# KiCad board USB Keypad.kicad_pcb
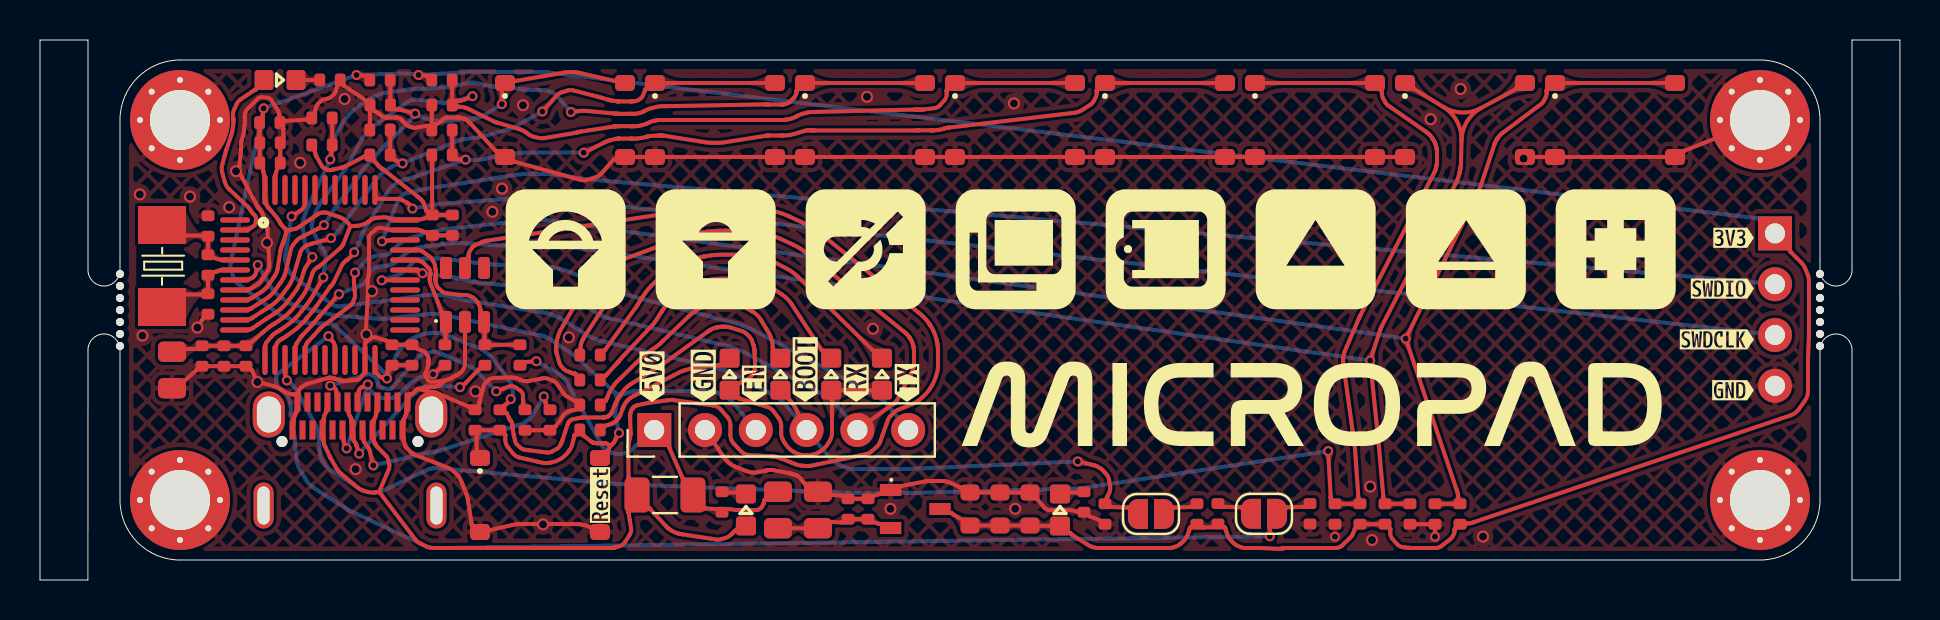
[diagram p0: board, top side]
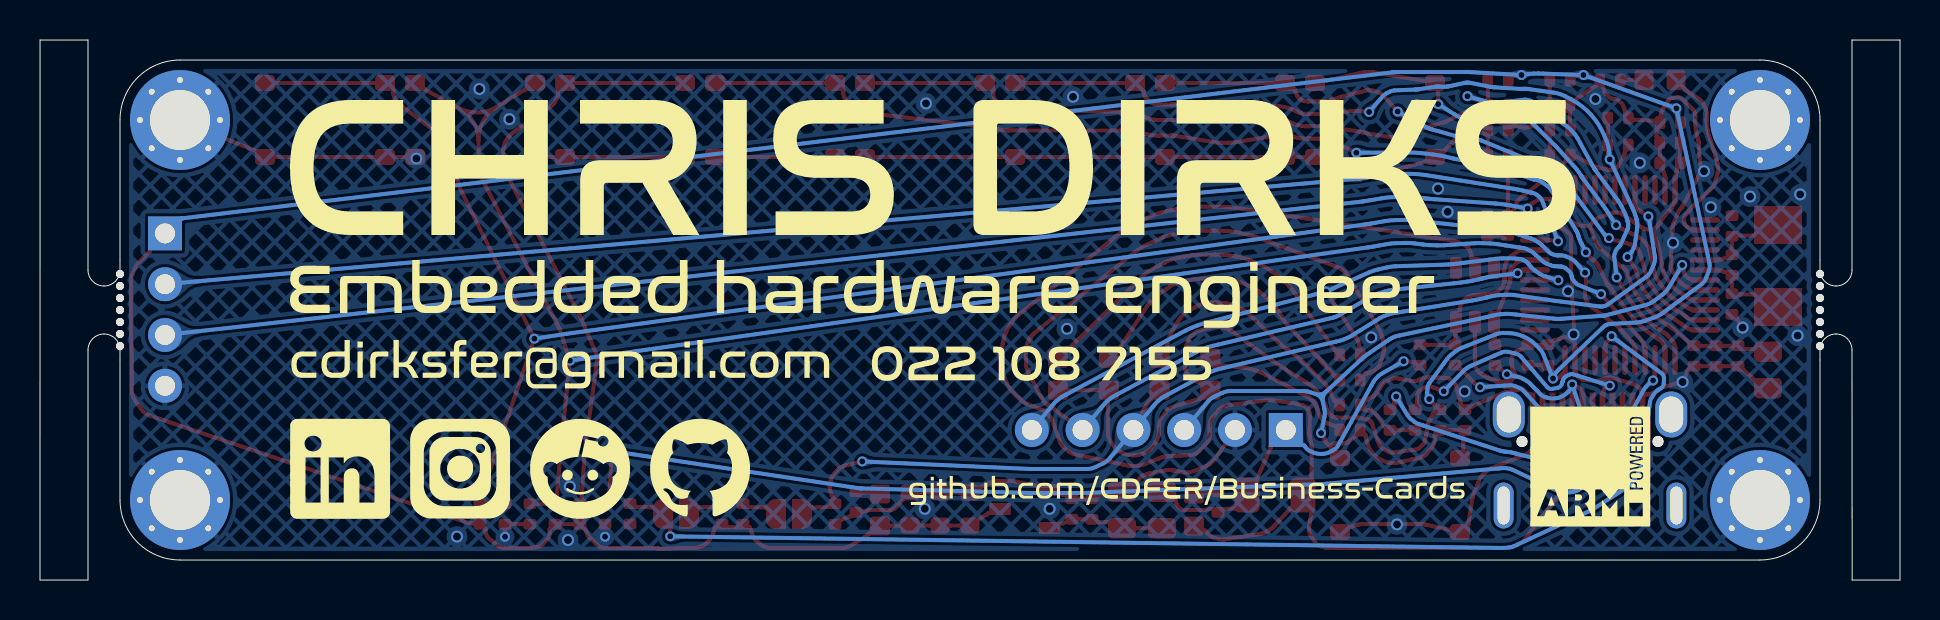
[diagram p1: board, bottom side, seen from below]

Outline 93 x 27 mm; copper layers: Top, Bottom. Coordinates in mm from the lower left corner of the outline.
Outline path: 3.2,12.3 arc(2.63,12.07) 2.4,11.5 2.39,0 0,0 0,27 2.4,27 2.4,15.5 arc(2.63,14.93) 3.2,14.7 ; 4,16 4,23 arc(4.88,25.12) 7,26 86,26 arc(88.12,25.12) 89,23 89,16 ; 4,11 4,4 arc(4.88,1.88) 7,1 86,1 arc(88.12,1.88) 89,4 89,11 ; 89.8,12.3 arc(90.37,12.07) 90.6,11.5 90.6,0 93,0 93,27 90.6,27 ; 90.6,27 90.6,15.5 arc(90.37,14.93) 89.8,14.7
Stack: Top 0.035mm / dielectric 0.9mm FR4 er 4.5 / Bottom 0.035mm

## Placement (name value [footprint] x y rotation side)
C1  0402,20pF,50V,C0G  [0402_1005Metric]  8.4 17.7 270 top
C2  100nF  [0402_1005Metric]  10.3 11.2 270 top
C3  0805,1uF,50V,X7R  [0805_2012Metric]  38.9 3.5 90 top
C4  100nF  [0402_1005Metric]  18.6 11.25 90 top
C5  0402,1uF,25V,X5R  [0402_1005Metric]  21.75 8 90 top
C6  0402,20pF,50V,C0G  [0402_1005Metric]  8.4 13.8 90 top
C7  0402,330pF,50V,C0G  [0402_1005Metric]  41.4 3.55 90 top
C8  0402,4.7uF,10V,X5R  [0402_1005Metric]  40.4 3.55 90 top
C9  330pF  [0402_1005Metric]  17.6 11.25 90 top
C10  330pF  [0402_1005Metric]  9.2 11.2 270 top
C11  100nF  [0402_1005Metric]  20.62 17.74 270 top
C12  0603,470nF,25V,X7R  [0603_1608Metric]  48 3.55 90 top
C13  0603,330pF,50V,C0G  [0603_1608Metric]  46.5 3.55 90 top
C14  0603,470nF,25V,X7R  [0603_1608Metric]  49.5 3.55 90 top
C15  330pF  [0402_1005Metric]  19.62 17.74 270 top
C16  100nF  [0402_1005Metric]  11.5 21.86 0 top
C17  330pF  [0402_1005Metric]  11.5 20.85 0 top
C18  0402,4.7uF,10V,X5R  [0402_1005Metric]  11.49 22.87 0 top
C30  0402,1uF,25V,X5R  [0402_1005Metric]  17.01 23.75 180 top
C31  0402,1uF,25V,X5R  [0402_1005Metric]  17 22.5 180 top
C32  10nF  [0402_1005Metric]  8.1 11.2 270 top
C33  1uF  [0805_2012Metric]  6.6 10.5 270 top
C34  0402,1uF,25V,X5R  [0402_1005Metric]  14.1 23.1 180 top
C35  0402,1uF,25V,X5R  [0402_1005Metric]  20.1 23.75 180 top
C36  0402,1uF,25V,X5R  [0402_1005Metric]  20.1 22.5 180 top
C37  0402,1uF,25V,X5R  [0402_1005Metric]  64.75 3.3 270 top
C38  0402,1uF,25V,X5R  [0402_1005Metric]  68.5 3.3 270 top
C39  0402,1uF,25V,X5R  [0402_1005Metric]  69.75 3.3 270 top
ESD1  SRV05  [SOT-23-6_L2.9-W1.6-P0.95-LS2.8-BR]  21.25 14.25 270 top
F1  1.5A Resettable Fuse  [Fuse_1206_3216Metric]  31.25 4.25 180 top
FB1  0805,800mA  [0805_2012Metric]  36.9 3.5 270 top
J1  Conn_01x06_Socket  [PinHeader_1x06_P2.54mm_Vertical]  30.71 7.5 90 top
J2  USB_C_Receptacle  [TYPE-C-SMD_C9900025773]  15.5 6.31 0 top
J3  Conn_01x04_Socket  [PinHeader_1x04_P2.54mm_Vertical]  86.75 17.33 0 top
JP1  Jumper_2_Open  [SolderJumper-2_P1.3mm_Open_RoundedPad1.0x1.5mm]  61.2 3.31 180 top
JP2  Jumper_2_Open  [SolderJumper-2_P1.3mm_Open_RoundedPad1.0x1.5mm]  55.55 3.3 0 top
kibuzzard-66975F2F  G***  [kibuzzard-66975F2F]  84.12 14.57 0 top
kibuzzard-66975F6C  G***  [kibuzzard-66975F6C]  83.84 12.03 0 top
kibuzzard-66975F57  G***  [kibuzzard-66975F57]  84.68 17.11 0 top
kibuzzard-66975F78  G***  [kibuzzard-66975F78]  84.65 9.49 0 top
kibuzzard-66975FBD  G***  [kibuzzard-66975FBD]  28 4.25 90 top
kibuzzard-669760FB  G***  [kibuzzard-669760FB]  30.6 10.17 90 top
kibuzzard-6697610A  G***  [kibuzzard-6697610A]  35.71 9.81 90 top
kibuzzard-66976103  G***  [kibuzzard-66976103]  33.16 10.21 90 top
kibuzzard-66976111  G***  [kibuzzard-66976111]  38.26 10.52 90 top
kibuzzard-66976119  G***  [kibuzzard-66976119]  40.81 9.84 90 top
kibuzzard-66976121  G***  [kibuzzard-66976121]  43.35 9.85 90 top
LDO1  LDO 3.3V 200mA XC6206P332MR  [SOT-23-3_L2.9-W1.6-P1.90-LS2.8-BR]  43.76 3.55 180 top
LED1  0603,Red  [LED0603]  35.3 3.5 270 top
LED2  0603,Red  [LED0603]  51 3.5 270 top
LED3  0603,Yellow  [LED0603]  12 25 180 top
LED4  0603,Yellow  [LED0603]  42.1 10.29 270 top
LED5  0603,Yellow  [LED0603]  39.56 10.29 270 top
LED6  0603,Red  [LED0603]  34.48 10.29 270 top
LED7  0603,Red  [LED0603]  37.02 10.29 270 top
M1  -  [MountingHole_3.2mm_M3]  7 23 90 top
M2  -  [MountingHole_3.2mm_M3]  86 23 90 top
M3  -  [MountingHole_3.2mm_M3]  86 4 90 top
M4  -  [MountingHole_3.2mm_M3]  7 4 90 top
MB2  -  [MouseBitesJLCPCB]  89 13.5 270 top
MB3  -  [MouseBitesJLCPCB]  4 13.5 90 top
R1  0402,1M  [0402_1005Metric]  8.4 15.75 270 top
R2  0402,22  [0402_1005Metric]  20.25 11.25 90 top
R3  0402,22  [0402_1005Metric]  22.25 11.25 90 top
R4  0402,4.7k  [0402_1005Metric]  24 11.25 90 top
R5  0402,10k  [0402_1005Metric]  23 8 270 top
R6  0402,10k  [0402_1005Metric]  17 21.25 0 top
R7  0402,150  [0402_1005Metric]  14.5 25 180 top
R8  0402,100k  [0402_1005Metric]  53.25 3.3 90 top
R9  0402,100k  [0402_1005Metric]  63.5 3.31 90 top
R10  0402,1k  [0402_1005Metric]  57.85 3.3 90 top
R11  0402,1k  [0402_1005Metric]  58.9 3.31 90 top
R12  0402,680  [0402_1005Metric]  27.5 10 180 top
R13  0402,5.1k  [0402_1005Metric]  24.25 8 270 top
R14  0402,5.1k  [0402_1005Metric]  25.5 8 270 top
R15  0402,1.2k  [0402_1005Metric]  27.5 7.5 180 top
R16  0402,1.2k  [0402_1005Metric]  27.5 8.75 180 top
R17  0402,680  [0402_1005Metric]  27.5 11.25 180 top
R18  0402,330  [0402_1005Metric]  34.1 3.9 90 top
R19  0402,10k  [0402_1005Metric]  14.1 21.75 0 top
R20  0402,10k  [0402_1005Metric]  20.1 25 0 top
R21  0402,10k  [0402_1005Metric]  20.1 21.25 0 top
R22  0402,1.2k  [0402_1005Metric]  52.2 3.9 270 top
R24  0402,10k  [0402_1005Metric]  66 3.3 90 top
R26  0402,10k  [0402_1005Metric]  17 25 0 top
R27  0402,10k  [0402_1005Metric]  67.25 3.3 90 top
R28  0402,10k  [0402_1005Metric]  71 3.3 90 top
SW1  Button SPST 50mA 12V  [SW-SMD_4P-L5.1-W5.1-P3.70-LS6.5-TL-2]  25 4.25 0 top
SW2  Button SPST 50mA 12V  [SW-SMD_4P-L5.1-W5.1-P3.70-LS6.5-TL-2]  26.25 23 0 top
SW3  Button SPST 50mA 12V  [SW-SMD_4P-L5.1-W5.1-P3.70-LS6.5-TL-2]  33.75 23 0 top
SW4  Button SPST 50mA 12V  [SW-SMD_4P-L5.1-W5.1-P3.70-LS6.5-TL-2]  41.25 23 0 top
SW5  Button SPST 50mA 12V  [SW-SMD_4P-L5.1-W5.1-P3.70-LS6.5-TL-2]  48.75 23 0 top
SW6  Button SPST 50mA 12V  [SW-SMD_4P-L5.1-W5.1-P3.70-LS6.5-TL-2]  56.25 23 0 top
SW7  Button SPST 50mA 12V  [SW-SMD_4P-L5.1-W5.1-P3.70-LS6.5-TL-2]  63.75 23 0 top
SW8  Button SPST 50mA 12V  [SW-SMD_4P-L5.1-W5.1-P3.70-LS6.5-TL-2]  71.25 23 0 top
SW9  Button SPST 50mA 12V  [SW-SMD_4P-L5.1-W5.1-P3.70-LS6.5-TL-2]  78.75 23 0 top
U1  MCU 72MHz STM32F103C8T6  [LQFP-48_L7.0-W7.0-P0.50-LS9.0-BL]  14 15.25 270 top
U2  8MHz 20pF ±10ppm  [CRYSTAL-SMD_L5.0-W3.2]  6.1 15.7 90 top

## Library data of the parts
C1 C6 = -: Datasheet: https://datasheet.lcsc.com/lcsc/1811141710_FH-Guangdong-Fenghua-Advanced-Tech-0402CG200J500NT_C1554.pdf; Description: 50V 20pF C0G   5% 0402 Multilayer Ceramic Capacitors MLCC - SMD SMT ROHS; LCSC: C1554; MFG: FH(Guangdong Fenghua Advanced Tech); MFGPN: 0402CG200J500NT
C2 C4 C11 C16 = -: Datasheet: https://datasheet.lcsc.com/lcsc/1810191219_Samsung-Electro-Mechanics-CL05B104KO5NNNC_C1525.pdf; Description: 16V 100nF X7R   10% 0402 Multilayer Ceramic Capacitors MLCC - SMD SMT ROHS; LCSC: C1525; MFG: Samsung Electro-Mechanics; MFGPN: CL05B104KO5NNNC
C3 C33 = -: Datasheet: https://datasheet.lcsc.com/lcsc/1810191216_Samsung-Electro-Mechanics-CL21B105KBFNNNE_C28323.pdf; Description: 50V 1uF X7R   10% 0805 Multilayer Ceramic Capacitors MLCC - SMD SMT ROHS; LCSC: C28323; MFG: Samsung Electro-Mechanics; MFGPN: CL21B105KBFNNNE
C5 C30 C31 C34-C39 = -: Datasheet: https://datasheet.lcsc.com/lcsc/1811091611_Samsung-Electro-Mechanics-CL05A105KA5NQNC_C52923.pdf; Description: 25V 1uF X5R   10% 0402 Multilayer Ceramic Capacitors MLCC - SMD SMT ROHS; LCSC: C52923; MFG: Samsung Electro-Mechanics; MFGPN: CL05A105KA5NQNC
C7 C9 C10 C15 C17 = -: Datasheet: https://datasheet.lcsc.com/lcsc/1810192025_Samsung-Electro-Mechanics-CL05C331JB5NNNC_C13533.pdf; Description: 50V 330pF C0G   5% 0402 Multilayer Ceramic Capacitors MLCC - SMD SMT ROHS; LCSC: C13533; MFG: Samsung Electro-Mechanics; MFGPN: CL05C331JB5NNNC
C8 C18 = -: Datasheet: https://datasheet.lcsc.com/lcsc/1810191211_Samsung-Electro-Mechanics-CL05A475MP5NRNC_C23733.pdf; Description: 10V 4 7uF X5R   20% 0402 Multilayer Ceramic Capacitors MLCC - SMD SMT ROHS; LCSC: C23733; MFG: Samsung Electro-Mechanics; MFGPN: CL05A475MP5NRNC
C12 C14 = -: Datasheet: https://datasheet.lcsc.com/lcsc/1810261513_Samsung-Electro-Mechanics-CL10B474KA8NNNC_C1623.pdf; Description: 25V 470nF X7R   10% 0603 Multilayer Ceramic Capacitors MLCC - SMD SMT ROHS; LCSC: C1623; MFG: Samsung Electro-Mechanics; MFGPN: CL10B474KA8NNNC
C13 = -: Datasheet: https://datasheet.lcsc.com/lcsc/1810261512_Samsung-Electro-Mechanics-CL10C331JB8NNNC_C1664.pdf; Description: 50V 330pF C0G   5% 0603 Multilayer Ceramic Capacitors MLCC - SMD SMT ROHS; LCSC: C1664; MFG: Samsung Electro-Mechanics; MFGPN: CL10C331JB8NNNC
C32 = -: Datasheet: https://datasheet.lcsc.com/lcsc/1810191223_Samsung-Electro-Mechanics-CL05B103KB5NNNC_C15195.pdf; Description: 50V 10nF X7R   10% 0402 Multilayer Ceramic Capacitors MLCC - SMD SMT ROHS; LCSC: C15195; MFG: Samsung Electro-Mechanics; MFGPN: CL05B103KB5NNNC
ESD1 = -: Datasheet: https://item.szlcsc.com/169042.html; LCSC: C85364; Field5: REF**
F1 = -: Description: Resettable fuse, polymeric positive temperature coefficient; LCSC: C2838983; ki_fp_filters: *polyfuse* *PTC*
FB1 = -: Datasheet: https://item.szlcsc.com/344132.html; LCSC: C1015
J1 = -: Description: Generic connector, single row, 01x06, script generated; ki_fp_filters: Connector*:*_1x??_*
J2 = -: Datasheet: https://www.usb.org/sites/default/files/documents/usb_type-c.zip; Description: USB Full-Featured Type-C Receptacle connector; LCSC: C5156605; Field5: REF**; ki_fp_filters: USB*C*Receptacle*
J3 = -: Description: Generic connector, single row, 01x04, script generated; ki_fp_filters: Connector*:*_1x??_*
JP1 JP2 = -: Description: Jumper, 2-pole, open; ki_fp_filters: Jumper* TestPoint*2Pads* TestPoint*Bridge*
LDO1 = -: Datasheet: https://datasheet.lcsc.com/lcsc/2304140030_Torex-Semicon-XC6206P332MR_C5446.pdf; LCSC: C5446; Field5: REF**
LED1 LED2 LED6 LED7 = -: Datasheet: https://item.szlcsc.com/347874.html; LCSC: C2286; Field5: REF**
LED3-LED5 = -: Datasheet: https://atta.szlcsc.com/upload/public/pdf/source/20180129/C125100_15171877314981315871.pdf; LCSC: C72038; Field5: REF**
R1 = -: Datasheet: https://datasheet.lcsc.com/lcsc/2110260130_UNI-ROYAL-Uniroyal-Elec-0402WGF1004TCE_C26083.pdf; Description: 1% 1 16W Thick Film Resistors 50V   100ppm    -55    155   1M   0402 Chip Resistor - Surface Mount ROHS; LCSC: C26083; MFG: UNI-ROYAL(Uniroyal Elec); MFGPN: 0402WGF1004TCE
R2 R3 = -: Datasheet: https://datasheet.lcsc.com/lcsc/2110252230_UNI-ROYAL-Uniroyal-Elec-0402WGF220JTCE_C25092.pdf; Description: 1% 1 16W Thick Film Resistors 50V   200ppm    -55    155   22   0402 Chip Resistor - Surface Mount ROHS; LCSC: C25092; MFG: UNI-ROYAL(Uniroyal Elec); MFGPN: 0402WGF220JTCE
R4 = -: Datasheet: https://datasheet.lcsc.com/lcsc/2110260030_UNI-ROYAL-Uniroyal-Elec-0402WGF4701TCE_C25900.pdf; Description: 1% 1 16W Thick Film Resistors 50V   100ppm    -55    155   4 7k   0402 Chip Resistor - Surface Mount ROHS; LCSC: C25900; MFG: UNI-ROYAL(Uniroyal Elec); MFGPN: 0402WGF4701TCE
R5 R6 R19-R21 R24 R26-R28 = -: Datasheet: https://datasheet.lcsc.com/lcsc/2110260030_UNI-ROYAL-Uniroyal-Elec-0402WGF1002TCE_C25744.pdf; Description: 1% 1 16W Thick Film Resistors 50V   100ppm    -55    155   10k   0402 Chip Resistor - Surface Mount ROHS; LCSC: C25744; MFG: UNI-ROYAL(Uniroyal Elec); MFGPN: 0402WGF1002TCE
R7 = -: Datasheet: https://datasheet.lcsc.com/lcsc/2110252230_UNI-ROYAL-Uniroyal-Elec-0402WGF1500TCE_C25082.pdf; Description: 1% 1 16W Thick Film Resistors 50V   100ppm    -55    155   150   0402 Chip Resistor - Surface Mount ROHS; LCSC: C25082; MFG: UNI-ROYAL(Uniroyal Elec); MFGPN: 0402WGF1500TCE
R8 R9 = -: Datasheet: https://datasheet.lcsc.com/lcsc/2110260030_UNI-ROYAL-Uniroyal-Elec-0402WGF1003TCE_C25741.pdf; Description: 1% 1 16W Thick Film Resistors 50V   100ppm    -55    155   100k   0402 Chip Resistor - Surface Mount ROHS; LCSC: C25741; MFG: UNI-ROYAL(Uniroyal Elec); MFGPN: 0402WGF1003TCE
R10 R11 = -: Datasheet: https://datasheet.lcsc.com/lcsc/2110251730_UNI-ROYAL-Uniroyal-Elec-0402WGF1001TCE_C11702.pdf; Description: 1% 1 16W Thick Film Resistors 50V   100ppm    -55    155   1k   0402 Chip Resistor - Surface Mount ROHS; LCSC: C11702; MFG: UNI-ROYAL(Uniroyal Elec); MFGPN: 0402WGF1001TCE
R12 R17 = -: Datasheet: https://datasheet.lcsc.com/lcsc/2110252230_UNI-ROYAL-Uniroyal-Elec-0402WGF6800TCE_C25130.pdf; Description: 1% 1 16W Thick Film Resistors 50V   100ppm    -55    155   680   0402 Chip Resistor - Surface Mount ROHS; LCSC: C25130; MFG: UNI-ROYAL(Uniroyal Elec); MFGPN: 0402WGF6800TCE
R13 R14 = -: Datasheet: https://datasheet.lcsc.com/lcsc/2110260030_UNI-ROYAL-Uniroyal-Elec-0402WGF5101TCE_C25905.pdf; Description: 1% 1 16W Thick Film Resistors 50V   100ppm    -55    155   5 1k   0402 Chip Resistor - Surface Mount ROHS; LCSC: C25905; MFG: UNI-ROYAL(Uniroyal Elec); MFGPN: 0402WGF5101TCE
R15 R16 R22 = -: Datasheet: https://datasheet.lcsc.com/lcsc/2110260030_UNI-ROYAL-Uniroyal-Elec-0402WGF1201TCE_C25862.pdf; Description: 1% 1 16W Thick Film Resistors 50V   100ppm    -55    155   1 2k   0402 Chip Resistor - Surface Mount ROHS; LCSC: C25862; MFG: UNI-ROYAL(Uniroyal Elec); MFGPN: 0402WGF1201TCE
R18 = -: Datasheet: https://datasheet.lcsc.com/lcsc/2110252230_UNI-ROYAL-Uniroyal-Elec-0402WGF3300TCE_C25104.pdf; Description: 1% 1 16W Thick Film Resistors 50V   100ppm    -55    155   330   0402 Chip Resistor - Surface Mount ROHS; LCSC: C25104; MFG: UNI-ROYAL(Uniroyal Elec); MFGPN: 0402WGF3300TCE
SW1-SW9 = -: Datasheet: https://item.szlcsc.com/300285.html; LCSC: C318884; Field5: REF**
U1 = -: Datasheet: https://atta.szlcsc.com/upload/public/pdf/source/20190808/C411336_D1D2DF7683029D856BA010BA7A5BF7EA.pdf; LCSC: C8734; Field5: REF**
U2 = -: Datasheet: https://atta.szlcsc.com/upload/public/pdf/source/20181112/C254399_C5BBDD3824DCEC70A37F176D8FB90B40.pdf; LCSC: C115962; Field5: REF**

## Footprints (pads in the part's own frame, mm; a bottom-side part is the same pattern mirrored in y, then rotated)
0402_1005Metric
  rrect 0.54x0.64 smd: 1(-0.51,0) 2(0.51,0)
0603_1608Metric
  rrect 0.8x0.95 smd: 1(-0.825,0) 2(0.825,0)
0805_2012Metric
  rrect 1.025x1.4 smd: 1(-0.912,0) 2(0.912,0)
CRYSTAL-SMD_L5.0-W3.2
  rect 1.9x2.4 smd: 1(-2.05,0) 2(2.05,0)
Fuse_1206_3216Metric
  rrect 1.25x1.75 smd: 1(-1.4,0) 2(1.4,0)
LED0603
  rrect 0.95x1 smd: 1(-0.8,0) 2(0.8,0)
LQFP-48_L7.0-W7.0-P0.50-LS9.0-BL
  oval 0.27x1.5 smd: 1(-2.75,-4.25) 2(-2.25,-4.25) 3(-1.75,-4.25) 4(-1.25,-4.25) 5(-0.75,-4.25) 6(-0.25,-4.25) 7(0.25,-4.25) 8(0.75,-4.25) 9(1.25,-4.25) 10(1.75,-4.25) 11(2.25,-4.25) 12(2.75,-4.25) 25(2.75,4.25) 26(2.25,4.25) 27(1.75,4.25) 28(1.25,4.25) 29(0.75,4.25) 30(0.25,4.25) 31(-0.25,4.25) 32(-0.75,4.25) 33(-1.25,4.25) 34(-1.75,4.25) 35(-2.25,4.25) 36(-2.75,4.25)
  oval 1.5x0.27 smd: 13(4.25,-2.75) 14(4.25,-2.25) 15(4.25,-1.75) 16(4.25,-1.25) 17(4.25,-0.75) 18(4.25,-0.25) 19(4.25,0.25) 20(4.25,0.75) 21(4.25,1.25) 22(4.25,1.75) 23(4.25,2.25) 24(4.25,2.75) 37(-4.25,2.75) 38(-4.25,2.25) 39(-4.25,1.75) 40(-4.25,1.25) 41(-4.25,0.75) 42(-4.25,0.25) 43(-4.25,-0.25) 44(-4.25,-0.75) 45(-4.25,-1.25) 46(-4.25,-1.75) 47(-4.25,-2.25) 48(-4.25,-2.75)
MountingHole_3.2mm_M3
  round 0.4 hole 0.3: (-2,0) (-1.414,1.414) (-1.414,-1.414) (0,2) (0,-2) (1.414,1.414) (1.414,-1.414) (2,0)
  round 5 hole 3: (0,0)
MouseBitesJLCPCB
  round 0.4 hole 0.4 unplated: (-1.8,0) (-1.2,0) (-0.6,0) (0,0) (0.6,0) (1.2,0) (1.8,0)
PinHeader_1x04_P2.54mm_Vertical
  rect 1.7x1.7 hole 1: 1(0,0)
  oval 1.7x1.7 hole 1: 2(0,-2.54) 3(0,-5.08) 4(0,-7.62)
PinHeader_1x06_P2.54mm_Vertical
  rect 1.7x1.7 hole 1: 1(0,0)
  oval 1.7x1.7 hole 1: 2(0,-2.54) 3(0,-5.08) 4(0,-7.62) 5(0,-10.16) 6(0,-12.7)
SolderJumper-2_P1.3mm_Open_RoundedPad1.0x1.5mm
  custom 1x1.5 smd: 1(-0.65,0) 2(0.65,0)
SOT-23-3_L2.9-W1.6-P1.90-LS2.8-BR
  rect 1.07x0.6 smd: 1(1.235,-0.95) 2(1.235,0.95) 3(-1.235,0)
SOT-23-6_L2.9-W1.6-P0.95-LS2.8-BR
  rrect 1.1x0.6 smd: 1(1.35,-0.95) 2(1.35,0) 3(1.35,0.95) 4(-1.35,0.95) 5(-1.35,0) 6(-1.35,-0.95)
SW-SMD_4P-L5.1-W5.1-P3.70-LS6.5-TL-2
  rrect 1x0.8 smd: 1(-3,1.85) 2(3,1.85) 3(-3,-1.85) 4(3,-1.85)
TYPE-C-SMD_C9900025773
  round 0.55 hole 0.55 unplated: (-3.4,0.612) (3.4,0.612)
  rect 0.3x0.95 smd: A1(-2.625,2.588) A2(-2.125,2.588) A3(-1.625,2.588) A4(-1.125,2.588) A5(-0.625,2.588) A6(-0.125,2.588) A7(0.375,2.588) A8(0.875,2.588) A9(1.375,2.588) A10(1.875,2.588) A11(2.375,2.588) A12(2.875,2.588) B1(2.625,1.188) B2(2.125,1.188) B3(1.625,1.188) B4(1.125,1.188) B5(0.625,1.188) B6(0.125,1.188) B7(-0.375,1.188) B8(-0.875,1.188) B9(-1.375,1.188) B10(-1.875,1.188) B11(-2.375,1.188) B12(-2.875,1.188)
  oval 1x2.3 hole 0.6x1.9: S1(-4.32,-2.588) S1(4.32,-2.588)
  oval 1.6x2.3 hole 1.2x1.8: S1(-4.06,1.962) S1(4.06,1.962)

## Nets
+3.3V: C2.1 C4.1 C9.1 C10.1 C11.1 C12.1 C13.1 C14.1 C15.1 C16.1 C17.1 C18.1 C32.1 C33.1 J3.1 LDO1.3 LED2.2 LED4.2 LED5.2 LED6.2 R5.1 R6.1 R10.1 R11.1 R19.1 R20.1 R21.1 R24.1 R26.1 R27.1 R28.1 U1.9 U1.24 U1.36 U1.48
+5V: F1.1 FB1.1 J1.1 R4.1 R18.1
GND: C1.1 C2.2 C3.2 C4.2 C5.2 C6.1 C7.2 C8.2 C9.2 C10.2 C11.2 C12.2 C13.2 C14.2 C15.2 C16.2 C17.2 C18.2 C30.2 C31.2 C32.2 C33.2 C34.2 C35.2 C36.2 C37.2 C38.2 C39.2 ESD1.2 J1.2 J2.A1 J2.A12 J2.B1 J2.B12 J3.4 LDO1.1 M1. M2. M3. M4. R7.1 R8.1 R9.1 R13.2 R14.2 R16.2 R22.2 SW1.3 SW1.4 SW2.3 SW2.4 SW3.3 SW3.4 SW4.3 SW4.4 SW5.3 SW5.4 SW6.3 SW6.4 SW7.3 SW7.4 SW8.3 SW8.4 SW9.3 SW9.4 U1.8 U1.23 U1.35 U1.47
VBUS: ESD1.5 F1.2 J2.A4 J2.A9 J2.B4 J2.B9 LED1.2
/BOOT0: J1.4 JP2.1 LED7.2 R8.2 U1.44
/BOOT1: JP1.1 R9.2 U1.20
/CC1: J2.A5 R13.1
/CC2: J2.B5 R14.1
/Copy: C35.1 R20.2 SW5.1 SW5.2 U1.13
/D+: ESD1.3 R3.2 R4.2 U1.33
/D-: ESD1.1 R2.2 U1.32
/Eject: C38.1 R27.2 SW8.1 SW8.2 U1.16
/MCU_RX: J1.5 R12.2 U1.31
/MCU_TX: J1.6 R17.2 U1.30
/Mute_Mic: C34.1 R19.2 SW4.1 SW4.2 U1.12
/Paste: C36.1 R21.2 SW6.1 SW6.2 U1.14
/Play/Pause: C37.1 R24.2 SW7.1 SW7.2 U1.15
/Print_Screen: C39.1 R28.2 SW9.1 SW9.2 U1.17
/Reset: C5.1 J1.3 R5.2 R15.2 SW1.1 SW1.2 U1.7
/RX1+: J2.B11
/RX1-: J2.B10
/RX2+: J2.A11
/RX2-: J2.A10
/SBU1: J2.A8
/SBU2: J2.B8
/SHLD: J2.S1
/SWDCLK: J3.3 U1.37
/SWDIO: J3.2 U1.34
/TX1+: J2.A2
/TX1-: J2.A3
/TX2+: J2.B2
/TX2-: J2.B3
/Vol+: C30.1 R26.2 SW2.1 SW2.2 U1.10
/Vol-: C31.1 R6.2 SW3.1 SW3.2 U1.11
Net-(J2-D+-PadA6): J2.A6 J2.B6 R3.1
Net-(J2-D--PadA7): J2.A7 J2.B7 R2.1
Net-(JP1-B): JP1.2 R11.2
Net-(JP2-B): JP2.2 R10.2
Net-(LDO1-Vin): C3.1 C7.1 C8.1 FB1.2 LDO1.2
Net-(LED1-K): LED1.1 R18.2
Net-(LED2-K): LED2.1 R22.1
Net-(LED3-A): LED3.2 U1.2
Net-(LED3-C): LED3.1 R7.2
Net-(LED4-C): LED4.1 R17.1
Net-(LED5-C): LED5.1 R12.1
Net-(LED6-K): LED6.1 R15.1
Net-(LED7-K): LED7.1 R16.1
Net-(U1-PD0-OSC_IN): C1.2 R1.1 U1.5 U2.2
Net-(U1-PD1-OSC_OUT): C6.2 R1.2 U1.6 U2.1

Pads without a net: ESD1 4 6; U1 1 3 4 18 19 21 22 25 26 27 28 29 38 39 40 41 42 43 45 46

## Via types
v1: diameter 0.6, hole 0.4, Top to Bottom, 30 vias
v2: diameter 0.5, hole 0.3, Top to Bottom, 48 vias
